# Altium PCB ecs8a_v3_top.PcbDoc
Units mm, origin at the board's own origin, x right, y up, seen from the top; angles counter-clockwise.
Board outline 35.05 x 27.94 mm, 2 copper layers (Top Layer, Bottom Layer); 37 components, 35 nets, 127 pads, 41 vias.
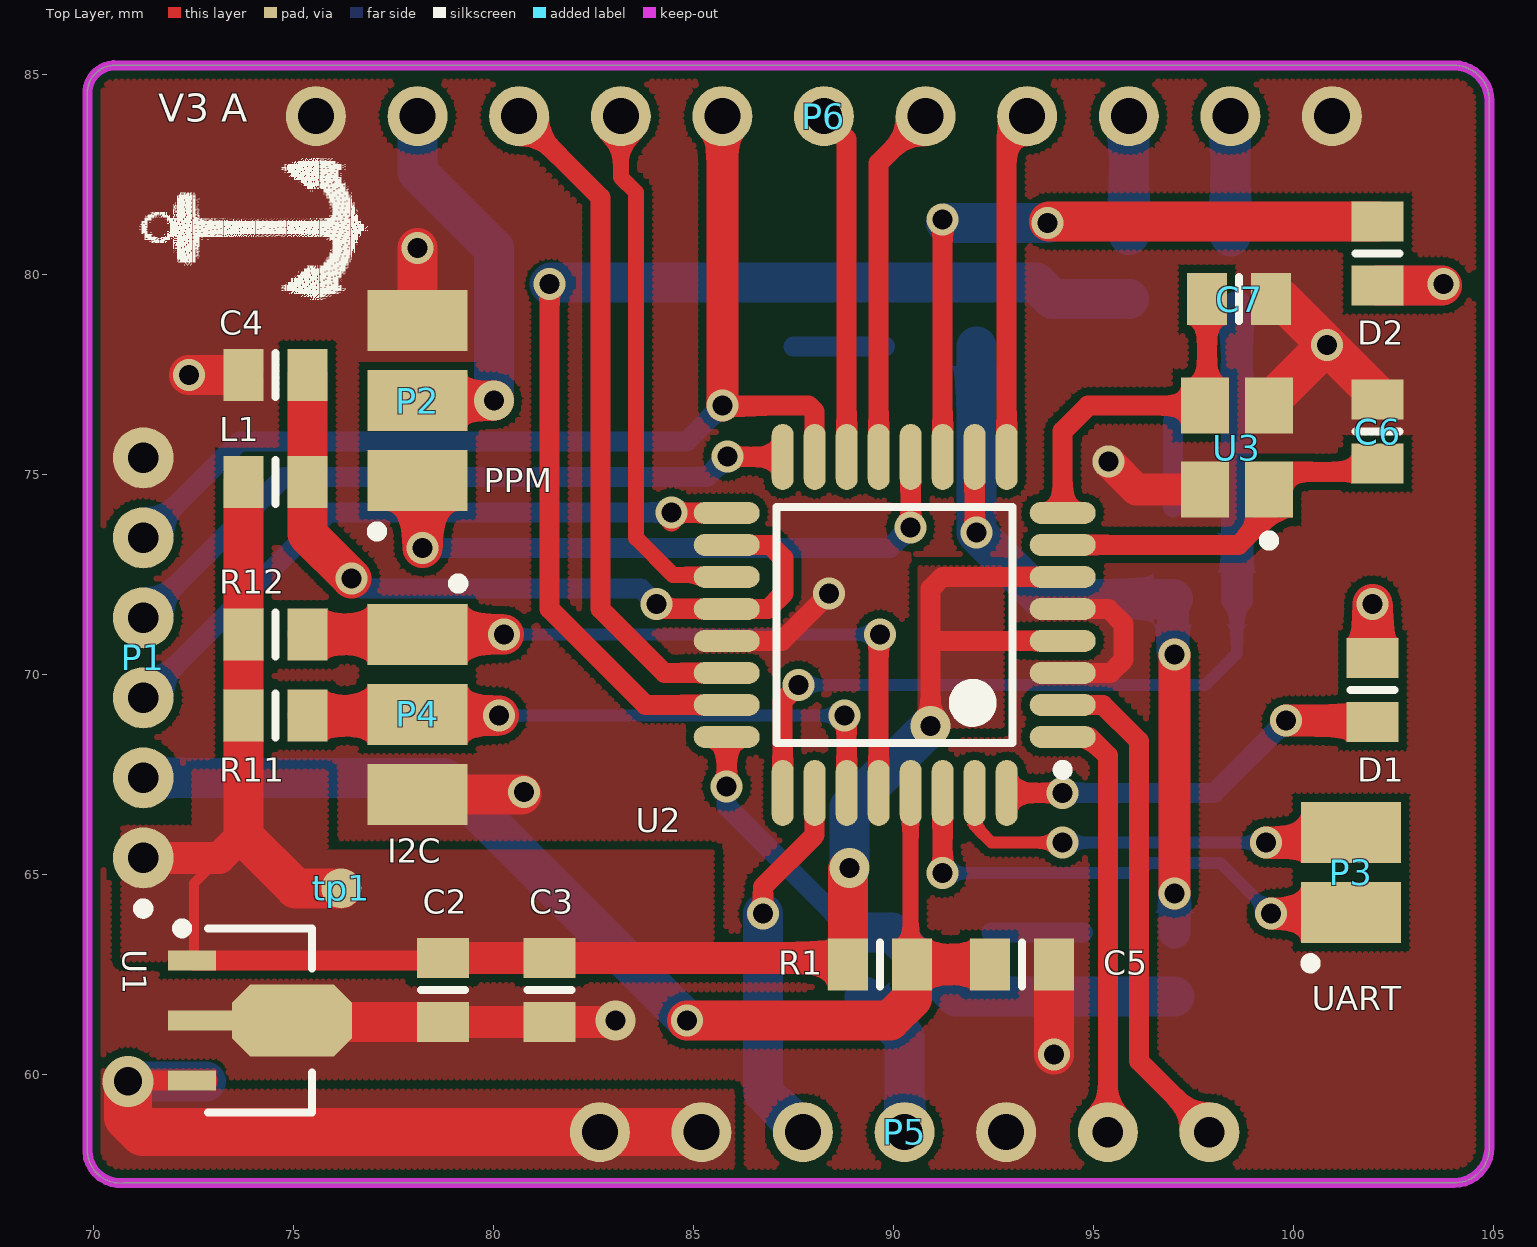
[diagram p0: Top Layer view]
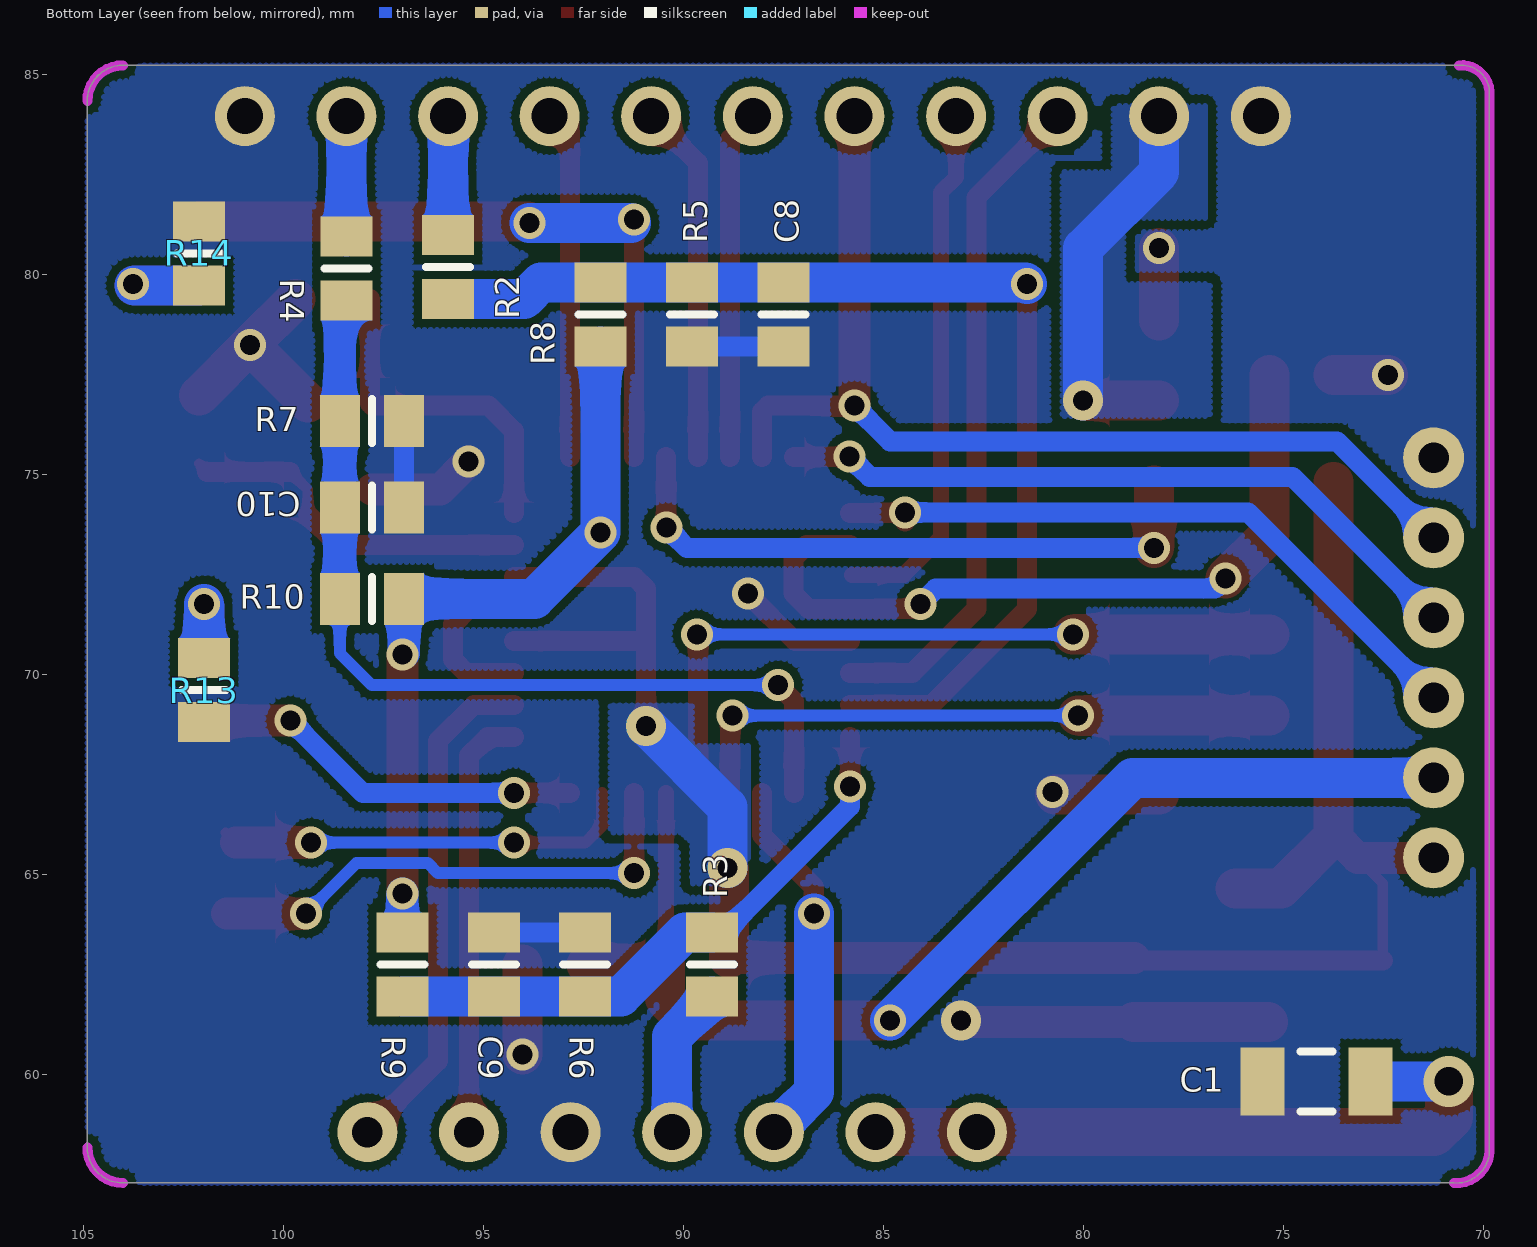
[diagram p1: Bottom Layer view, seen from below]

## Layer stack, top to bottom
Top Solder: solder mask 0.0102, Solder Resist, Dk 3.5
Top Layer: signal copper 0.0356
Dielectric 1: dielectric 0.32, FR-4, Dk 4.8
Bottom Layer: signal copper 0.0356
Bottom Solder: solder mask 0.0102, Solder Resist, Dk 3.5

## Board outline
69.85,58.039 69.85,84.582 cw(c70.549,84.519) 70.612,85.217 104.013,85.217 cw(c104.013,84.328) 104.902,84.328 104.902,58.166 cw(c104.013,58.166) 104.013,57.277 70.739,57.277 cw(c70.675,58.102)

## Design rules (kind name [scope] priority, off if disabled: settings)
Clearance [All] p1: gap=0.2
PolygonConnect [All] p1: connectstyle=Direct reliefconductorwidth=0.254 reliefentries=4 polygonreliefangle="90 Angle" airgapwidth=0.254
RoutingVias [All] p1: holewidth=0.711 width=1.27 viastyle="Through Hole" minholewidth=0.5 minwidth=0.8 maxholewidth=0.711 maxwidth=1.27
SolderMaskExpansion [All] p1: expansion=0.102
Width [All] p1: maxlimit=1.5 minlimit=0.254 preferedwidth=0.254
30 further rules are at their usual default settings.

## Components (designator, comment, footprint, x,y, rotation, side; value= is the part's Value field where it differs from the comment)
C1 "Cap" C1206 74.168,59.817 r180 bottom
C2 "Cap" 6-0805_L 78.74,62.103 r90 top
C3 "Cap" 6-0805_L 81.407,62.103 r90 top
C4 "Cap" 6-0805_L 74.549,77.47 r180 top
C5 "Cap" 6-0805_L 93.218,62.738 r180 top
C6 "Cap" 6-0805_L 102.108,76.06 r90 top
C7 "Cap" 6-0805_L 98.642,79.375 r0 top
C8 "Cap" 6-0805_L 87.503,78.994 r270 bottom
C9 "Cap" 6-0805_L 94.742,62.738 r90 bottom
C10 "Cap" 6-0805_L 97.79,74.168 r180 bottom
D1 "LED0" 6-0805_L 101.981,69.596 r90 top
D2 "LED0" 6-0805_L 102.108,80.518 r270 top
L1 "Inductor" 6-0805_L 74.549,74.803 r0 top
P1 "Header 6" 6pin_2mm 71.247,65.406 r90 top locked
P2 "PPM" PPM_HEADER2 78.105,74.835 r90 top locked
P3 "UART" USART_HEADER 101.444,64.04 r90 top locked
P4 "I2C" PPM_HEADER2 78.105,70.993 r270 top locked
P5 "Header 7" 7PIN_2.54 82.661,58.547 r0 top locked
P6 "Header 11" 11PIN_2.54 100.965,83.947 r180 top locked
R1 "Res3" 6-0805_L 89.662,62.738 r180 top
R2 "Res3" 6-0805_L 95.885,80.175 r270 bottom
R3 "Res3" 6-0805_L 89.281,62.738 r90 bottom
R4 "Res3" 6-0805_L 98.425,80.137 r270 bottom
R5 "Res3" 6-0805_L 89.789,78.994 r90 bottom
R6 "Res3" 6-0805_L 92.456,62.738 r270 bottom
R7 "Res3" 6-0805_L 97.79,76.327 r0 bottom
R8 "Res3" 6-0805_L 92.075,78.994 r270 bottom
R9 "Res3" 6-0805_L 97.028,62.738 r90 bottom
R10 "Res3" 6-0805_L 97.79,71.882 r180 bottom
R11 "Res2" 6-0805_L 74.549,68.961 r180 top
R12 "Res2" 6-0805_L 74.549,70.993 r180 top
R13 "Res3" 6-0805_L 101.981,69.596 r90 bottom
R14 "Res3" 6-0805_L 102.108,80.518 r270 bottom
tp1 "tp" tp 76.2,64.643 r0 top
U1 "78L05" SOT89L 74.168,61.341 r0 top
U2 "ATmega8A-AU" 32A_N 90.034,71.228 r180 top locked
U3 "3225_16M" 3225_16M 99.39,74.608 r90 top

## Footprints (in the part's own frame and the unit in brackets; to place one, negate y for a bottom-side part, rotate by r counter-clockwise, add the part's x,y. Pads: shape width x height; smd on the part's side, far side on the other; paste and mask are expansions set on the pad)
6-0805_L [mm] "Chip Resistor, Body 2.0x1.2mm, IPC High Density"
  rect 1x1.3 smd: 1(-0.8,0) 2(0.8,0)
  silkscreen extent 0,-0.55 0,0.55, body extent -1.07,-0.7 1.07,0.7, height 0.7
6pin_2mm [mil]
  round 60 hole 30: 1(0,0) 2(78.74,0) 3(157.48,0) 4(236.22,0) 5(314.96,0) 6(393.7,0)
  silkscreen extent -55,-5 -45,5
7PIN_2.54 [mm]
  round 1.5 hole 0.9: 1(0,0) 2(2.54,0) 3(5.08,0) 4(7.62,0) 5(10.16,0)
  round 1.5 hole 0.762: 6(12.7,0) 7(15.24,0)
11PIN_2.54 [mm]
  round 1.5 hole 0.9: 1(0,0) 2(2.54,0) 3(5.08,0) 4(7.62,0) 5(10.16,0) 6(12.7,0) 7(15.24,0) 8(17.78,0) 9(20.32,0) 10(22.86,0) 11(25.4,0)
32A_N [mm] "Thin QFP, 32-Leads, Body 7x7mm, Pitch 0.8mm, IPC Medium Density"
  oval 1.65x0.55 smd: 1(-4.2,2.8) 2(-4.2,2) 3(-4.2,1.2) 4(-4.2,0.4) 5(-4.2,-0.4) 6(-4.2,-1.2) 7(-4.2,-2) 8(-4.2,-2.8) 17(4.2,-2.8) 18(4.2,-2) 19(4.2,-1.2) 20(4.2,-0.4) 21(4.2,0.4) 22(4.2,1.2) 23(4.2,2) 24(4.2,2.8)
  oval 0.55x1.65 smd: 9(-2.8,-4.2) 10(-2,-4.2) 11(-1.2,-4.2) 12(-0.4,-4.2) 13(0.4,-4.2) 14(1.2,-4.2) 15(2,-4.2) 16(2.8,-4.2) 25(2.8,4.2) 26(2,4.2) 27(1.2,4.2) 28(0.4,4.2) 29(-0.4,4.2) 30(-1.2,4.2) 31(-2,4.2) 32(-2.8,4.2)
  silkscreen extent -4.33,-2.95 2.95,3.75, body extent -3.5,-3.5 3.5,3.5, height 1.2
3225_16M [mm]
  rect 1.4x1.2 smd: 1(0,0) 2(2.1,0) 3(2.1,1.6) 4(0,1.6)
  silkscreen extent -1.4,-0.13 -1.14,0.13
C1206 [mm] "Chip Capacitor, Body 3.2x1.6mm, IPC High Density"
  rect 1.1x1.7 smd: 1(-1.35,0) 2(1.35,0)
  silkscreen extent -0.4,-0.75 0.4,0.75, body extent -1.7,-0.9 1.7,0.9, height 1.3
PPM_HEADER2 [mm]
  rect 1.524x2.5 smd: 1(0,0) 2(2,0) 3(4,0)
  silkscreen extent -1.4,0.89 -1.14,1.14
SOT89L [mm] "SOT89, 3-Leads, Body 4.5x2.4 mm, Pitch 1.5mm, Lead Span 4.1mm, IPC High Density"
  rect 1.2x0.5 smd: 1(-1.7,1.5) 3(-1.7,-1.5)
  rect 1.6x0.5 smd: 2(-1.5,0)
  oct 3x1.8 smd: 2(0.8,0)
  silkscreen extent -2.07,-2.3 1.3,2.42, body extent -1.3,-2.3 1.3,2.3, height 1.6
tp [mm]
  round 1 smd: 1(0,0)
USART_HEADER [mm]
  rect 1.524x2.5 smd: 1(0,0) 2(2,0)
  silkscreen extent -1.4,0.89 -1.14,1.14

## Part data
C1 C2 C3 C4 C5 C6 C7 C8 C9 C10: "Capacitor"
D1 D2: "Typical INFRARED GaAs LED"
P1: "Header, 6-Pin"
P2 P4: library part "Header 3", "Header, 3-Pin"
P3: library part "Header 2", "Header, 2-Pin"
P5: "Header, 7-Pin"
P6: "Header, 11-Pin"
R1 R2 R3 R4 R5 R6 R7 R8 R9 R10 R11 R12 R13 R14: "Resistor"
U1: "3-Terminal Positive Voltage Regulator"
U2: "8-bit AVR Microcontroller, 2.7-5.5V, 16MHz, 8KB Flash, 512 Bytes EEPROM, 1KB SRAM, 32-pin TQFP, Industrial Grade (-40癈 to 85癈)"

## Via types
v1: diameter 0.8, hole 0.5, Top Layer to Bottom Layer, 36 vias
v2: diameter 1, hole 0.5, Top Layer to Bottom Layer, 4 vias
v3: diameter 1.27, hole 0.711, Top Layer to Bottom Layer, 1 vias

## Nets (pads, with @x,y where several pads share a name; then routed paths per layer and width w, separated by ;. In a path a pad name is that pad's centre, name@x,y a point inside that pad or via, vN(x,y) a via of type N, cw(c..) or ccw(c..) an arc to the next point about the centre after c; other vN are vias at no path point)
+5V: C2.2 C3.2 L1.1 P1.1 R1.2 R11.2 R12.2 tp1.1 U1.1 U2.4 U2.6 | length 50.6
  Top Layer w0.254: U1.1@72.517,62.841 72.517,64.77 73.153,65.406 ; C2.2@78.678,62.841 C2.2 ; v2@88.862,65.113 v2(88.9,65.151) ; 90.932,70.866 90.97,70.828
  Top Layer w0.5: U1.1@72.517,62.841 C2.2@78.678,62.841 ; v2(90.932,68.707) 90.932,70.866 90.932,72.136 91.224,72.428 U2.6 ; 90.97,70.828 U2.4
  Top Layer w0.8: P1.1 73.153,65.406 73.749,66.002 ; C2.2 C3.2 R1.2@88.862,62.903
  Top Layer w1: L1.1 R12.2 R11.2 73.749,66.002 73.749,65.951 75.057,64.643 tp1.1 ; R1.2@88.862,62.903 v2@88.862,65.113
  Bottom Layer w1: v2(88.9,65.151) 88.9,66.675 v2(90.932,68.707)
+5V_BEC: P2.2 P6.10 | length 9.8
  Top Layer w1: P2.2 v2(80.01,76.835)
  Bottom Layer w1: P6.10 78.105,82.55 80.01,80.645 v2(80.01,76.835)
AH: P1.5 P6.7 U2.15 | length 26.6
  Top Layer w0.5: v1(85.725,76.708) 87.884,76.708 88.034,76.558 U2.15
  Top Layer w0.8: v1(85.725,76.708) P6.7
  Bottom Layer w0.5: P1.5 73.66,75.819 84.836,75.819 v1(85.725,76.708)
AL: P5.6 U2.1 | length 10.7
  Top Layer w0.5: U2.1 94.894,68.428 95.361,67.961 P5.6
AVERAGE: R8.2 R9.2 R10.2 U2.10 | length 20.7
  Top Layer w0.254: v1@92.034,73.574 v1(92.075,73.533)
  Top Layer w0.5: v1@92.034,73.574 U2.10
  Top Layer w0.8: v1(97.028,64.516) v1(97.028,70.485)
  Bottom Layer w0.254: v1@96.863,70.396 96.952,70.485 v1(97.028,70.485) v1@96.99,70.523
  Bottom Layer w0.8: v1@96.99,70.523 R10.2 ; R9.2 v1(97.028,64.516)
  Bottom Layer w1: R8.2 v1(92.075,73.533) 93.726,71.882 R10.2
BH: P6.6 U2.14 | length 8.8
  Top Layer w0.5: P6.6 88.834,83.378 U2.14
BL: P5.7 U2.2 | length 12.8
  Top Layer w0.5: U2.2 95.237,69.228 96.139,68.326 96.139,60.325 P5.7@97.909,58.555
CH: P6.5 U2.13 | length 9
  Top Layer w0.5: U2.13 89.634,82.776 P6.5
CL: P6.4 U2.9 | length 8.7
  Top Layer w0.5: U2.9 92.834,83.436 P6.4
CURRENT: P6.8 U2.19 | length 13.4
  Top Layer w0.254: U2.19@85.78,72.482 U2.19
  Top Layer w0.4: P6.8 83.185,82.423 83.566,82.042 83.566,73.406 84.49,72.482 U2.19@85.78,72.482
GND: C1.1 C2.1 C3.1 C4.2 C5.1 C6.2 C7.2 C8.2 C9.2 C10.2 P1.6 P2.3 P4.3 P5.5 P6.1 P6.11 R5.1 R6.1 R7.1 R13.1 R14.1 U1.2 U2.3 U2.5 U2.21 U3.2 U3.4 | length 38.7
  Top Layer w0.254: U1.2@75.349,61.341 U1.2@75.387,61.303 ; v1@80.709,66.993 v1(80.772,67.056) ; v2@83.02,61.303 v2(83.058,61.341) ; U3.2@99.39,76.784 U3.2 U3.2@99.542,76.86 ; C7.2 C7.2@99.695,79.375 ; C6.2 C6.2@102.108,76.962
  Top Layer w0.5: U2.21 87.211,70.828 v1(88.392,72.009) ; U2.3 95.428,70.028 95.758,70.358 95.758,71.247 95.377,71.628 U2.5
  Top Layer w0.8: C2.1 C3.1 v2@83.02,61.303 ; v1(95.377,75.311) 96.08,74.608 U3.4
  Top Layer w1: v1(72.39,77.47) C4.2 ; U1.2@75.387,61.303 C2.1 ; P4.3 v1@80.709,66.993 ; P2.3 v1(78.105,80.645) ; v1(94.018,60.49) C5.1 ; U3.2@99.39,76.784 v1(100.838,78.232) ; C7.2@99.695,79.375 v1(100.838,78.232) ; C6.2@102.108,76.962 v1(100.838,78.232)
  Bottom Layer w0.5: C8.2 R5.1 ; R6.1 C9.2 ; C10.2 R7.1
GREEN: D2.1 U2.11 | length 17
  Top Layer w0.254: v1(93.853,81.28) v1@93.891,81.318
  Top Layer w0.5: U2.11 v1(91.234,81.359)
  Top Layer w1: v1@93.891,81.318 D2.1
  Bottom Layer w0.254: v1(91.234,81.359) v1@91.313,81.28
  Bottom Layer w0.5: v1@93.774,81.359 v1(93.853,81.28)
  Bottom Layer w1: v1@91.313,81.28 v1(93.853,81.28)
MISO: P1.4 U2.16 | length 17.7
  Top Layer w0.254: v1(85.852,75.438) v1@85.862,75.428
  Top Layer w0.5: v1@85.862,75.428 U2.16
  Bottom Layer w0.5: P1.4 74.771,74.93 85.344,74.93 v1(85.852,75.438)
NetC4_1: C4.1 L1.2 U2.18 U2.20 | length 19.2
  Top Layer w0.5: v1(84.074,71.755) 84.201,71.628 U2.20 86.868,71.628 87.249,72.009 87.249,72.898 86.919,73.228 U2.18
  Top Layer w1: C4.1 L1.2 75.349,73.495 v1(76.454,72.39)
  Bottom Layer w0.5: v1(76.454,72.39) 76.708,72.136 83.693,72.136 v1(84.074,71.755)
NetD1_2: D1.2 R13.2 | length 2.7
  Top Layer w1: D1.2 v1(101.981,71.755)
  Bottom Layer w1: R13.2 v1(101.981,71.755)
NetD2_2: D2.2 R14.2 | length 3.3
  Top Layer w0.254: v1@103.721,79.718 v1(103.759,79.756)
  Top Layer w1: D2.2 v1@103.721,79.718
  Bottom Layer w0.254: v1@103.721,79.718 v1(103.759,79.756)
  Bottom Layer w1: R14.2 v1@103.721,79.718
NULLA: C8.1 R2.2 R5.2 R8.1 U2.23 | length 28.2
  Top Layer w0.5: v1(81.407,79.756) 81.407,71.628 83.807,69.228 U2.23
  Bottom Layer w1: v1(81.407,79.756) 81.445,79.794 C8.1 R5.2 R8.1 93.561,79.794 93.98,79.375 R2.2
NULLB: C9.1 R3.2 R6.2 R9.1 U2.24 | length 14.9
  Top Layer w0.5: v1(85.834,67.183) U2.24
  Bottom Layer w0.254: R3.2@88.989,63.538 R3.2
  Bottom Layer w0.5: v1(85.834,67.183) 85.834,66.693 R3.2@88.989,63.538
  Bottom Layer w1: R3.2 89.967,63.538 91.567,61.938 R6.2 C9.1 R9.1
NULLC: C10.1 R4.2 R7.2 R10.1 U2.25 | length 23.1
  Top Layer w0.5: U2.25 87.234,69.327 v1(87.63,69.723)
  Bottom Layer w0.254: R7.2@98.425,76.365 R7.2@98.463,76.327 ; R4.2 R4.2@98.59,79.172 ; C10.1@98.463,74.168 C10.1@98.59,74.295
  Bottom Layer w0.3: v1(87.63,69.723) 97.79,69.723 98.59,70.523 R10.1
  Bottom Layer w0.8: R10.1 C10.1 ; C10.1@98.59,74.295 R7.2 R4.2@98.59,79.172
PHASEA: P6.3 R2.1 | length 3
  Bottom Layer w1: R2.1 P6.3
PHASEB: P5.4 R3.1 | length 3.8
  Bottom Layer w1: R3.1 90.281,60.938 P5.4
PHASEC: P6.2 R4.1 | length 3
  Bottom Layer w1: R4.1 P6.2
PPM: P2.1 U2.12 | length 15.9
  Top Layer w0.254: P2.1 P2.1@78.232,74.708 ; v1(90.424,73.66) v1@90.434,73.67
  Top Layer w0.5: v1@90.434,73.67 U2.12
  Top Layer w1: v1(78.232,73.152) P2.1@78.232,74.708
  Bottom Layer w0.5: v1(78.232,73.152) 89.916,73.152 v1(90.424,73.66)
RED: D1.1 U2.32 | length 9.9
  Top Layer w0.254: D1.1@101.943,68.834 D1.1
  Top Layer w0.5: U2.32 v1(94.234,67.028)
  Top Layer w0.8: v1(99.822,68.834) D1.1@101.943,68.834
  Bottom Layer w0.5: v1(94.234,67.028) 98.016,67.028 v1(99.822,68.834)
RESET: C5.2 P1.2 R1.1 U2.29 | length 29.1
  Top Layer w0.254: R1.1@90.434,62.766 R1.1
  Top Layer w0.4: R1.1@90.434,62.766 U2.29
  Top Layer w1: v1(84.836,61.341) 89.916,61.341 90.462,61.887 R1.1 C5.2
  Bottom Layer w1: P1.2 78.771,67.406 v1(84.836,61.341)
RXD: P3.1 U2.30 | length 12.9
  Top Layer w0.254: P3.1@101.412,64.008 P3.1
  Top Layer w0.5: v1(91.234,65.024) U2.30
  Top Layer w0.8: v1(99.441,64.008) P3.1@101.412,64.008
  Bottom Layer w0.3: v1(91.234,65.024) 96.139,65.024 96.393,65.278 98.171,65.278 v1(99.441,64.008)
SCK: P1.3 U2.17 | length 17.3
  Top Layer w0.254: v1@84.455,73.813 84.227,74.041 v1(84.455,74.041)
  Top Layer w0.5: v1@84.455,73.813 84.455,74.028 U2.17
  Bottom Layer w0.5: P1.3 75.882,74.041 v1(84.455,74.041)
SCL: P4.1 R12.1 U2.28 | length 18.3
  Top Layer w0.254: v1@89.634,70.965 v1(89.662,70.993)
  Top Layer w0.5: U2.28 v1@89.634,70.965
  Top Layer w1: R12.1 P4.1 v1(80.264,70.993)
  Bottom Layer w0.3: v1(80.264,70.993) v1(89.662,70.993)
SDA: P4.2 R11.1 U2.27 | length 15.4
  Top Layer w0.254: v1(88.773,68.961) v1@88.834,68.9
  Top Layer w0.5: U2.27 v1@88.834,68.9
  Top Layer w1: R11.1 v1(80.137,68.961)
  Bottom Layer w0.3: v1(80.137,68.961) v1(88.773,68.961)
TEMP_ADC: P5.3 U2.26 | length 9.4
  Top Layer w0.5: v1(86.741,64.008) 86.741,64.68 88.034,65.973 U2.26
  Bottom Layer w1: v1(86.741,64.008) 86.741,59.547 P5.3
TXD: P3.2 U2.31 | length 10.5
  Top Layer w0.254: P3.2@101.19,65.786 P3.2
  Top Layer w0.3: U2.31 92.034,66.208 92.456,65.786 v1(94.234,65.786)
  Top Layer w0.8: v1(99.314,65.786) P3.2@101.19,65.786
  Bottom Layer w0.3: v1(94.234,65.786) v1(99.314,65.786)
VBAT: P6.9 U2.22 | length 17
  Top Layer w0.5: P6.9 82.677,81.915 82.677,71.628 84.277,70.028 U2.22
VCC: C1.2 P5.1 P5.2 U1.3 | length 19.3
  Top Layer w0.5: v3(70.866,59.817) 70.89,59.841 U1.3 U1.3@72.849,59.841
  Top Layer w1.2: v3(70.866,59.817) 70.866,58.928 71.247,58.547 P5.1 P5.2
  Bottom Layer w1: v3(70.866,59.817) C1.2
XTAL1: C6.1 U2.7 U3.1 | length 9.1
  Top Layer w0.254: U3.1@99.39,73.99 U3.1 U3.1@99.839,75.057 ; C6.1@101.905,75.057 C6.1
  Top Layer w0.5: U2.7 98.628,73.228 U3.1@99.39,73.99 ; U3.1@99.839,75.057 C6.1@101.905,75.057
XTAL2: C7.1 U2.8 U3.3 | length 8.6
  Top Layer w0.254: U3.3 U3.3@97.842,76.76
  Top Layer w0.5: U2.8 94.234,76.073 94.869,76.708 U3.3 ; U3.3@97.842,76.76 C7.1

## Polygon pours and split planes (outlines as drawn)
+5V on Top Layer "top_5v_2" (hatched 90Degree grid 0 track 0.152, remove dead copper, pour order 4): 90.678,72.644 92.71,72.644 92.71,68.707 90.678,68.707 90.678,72.644
VCC on Top Layer "top_VCC_6" (hatched 90Degree grid 0 track 0.152, remove dead copper, pour order 14): 85.979,57.277 69.85,57.277 69.85,60.071 73.025,60.071 73.025,59.563 85.979,59.563 85.979,57.277
+5V on Top Layer "top_5V_7" (hatched 90Degree grid 0 track 0.152, remove dead copper, pour order 16): 82.042,62.903 82.004,62.865 70.739,62.865 70.739,66.167 72.517,66.167 72.517,67.564 75.819,67.564 75.819,65.532 85.471,65.532 85.471,62.903 82.042,62.903
GND on Top Layer "top_gnd" (hatched 90Degree grid 0 track 0.152, remove dead copper, pour order 18): 69.85,57.277 69.85,85.217 104.902,85.217 104.902,57.277 69.85,57.277
+5V_BEC on Bottom Layer "bottom_5v_bec_1" (hatched 90Degree grid 0 track 0.152, remove dead copper, pour order 8): 79.248,84.201 76.962,84.201 76.962,81.407 78.994,81.407 78.994,79.756 76.835,79.756 76.835,76.454 80.518,76.454 80.518,82.55 79.248,82.55 79.248,84.201
+5V on Bottom Layer "bottom_5v_1" (hatched 90Degree grid 0 track 0.152, remove dead copper, pour order 6): 91.821,69.215 89.789,69.215 89.789,68.326 89.789,68.199 88.392,68.199 88.392,65.405 88.519,65.278 89.027,64.77 89.789,64.77 89.789,65.786 90.043,66.04 91.821,66.04 91.821,69.215
GND on Bottom Layer "bottom_gnd" (hatched 90Degree grid 0 track 0.152, remove dead copper, pour order 20): 69.85,85.217 69.85,57.277 104.902,57.277 104.902,85.217 69.85,85.217

## Keep-outs
Top Layer:
  lines w0.254: 70.612,85.217 104.013,85.217 ; 70.739,57.277 104.013,57.277 ; 104.902,58.166 104.902,84.328
Keep-Out Layer:
  lines w0.254: 70.612,85.217 ccw(c70.549,84.519) 69.85,84.582 69.85,83.947 69.85,58.039 ccw(c70.675,58.102) 70.739,57.277 ; 104.013,57.277 ccw(c104.013,58.166) 104.902,58.166 ; 104.013,85.217 cw(c104.013,84.328) 104.902,84.328

## Silkscreen, mask and mechanical layers (free items; w line width, h text height)
Top Overlay:
  drawing of 1033 lines, arcs and shapes, not listed
  text "V3 A" at 71.628,83.566 h1.2